# Altium PCB WSD_PCB.PcbDoc (part 1 of 2) (continued)
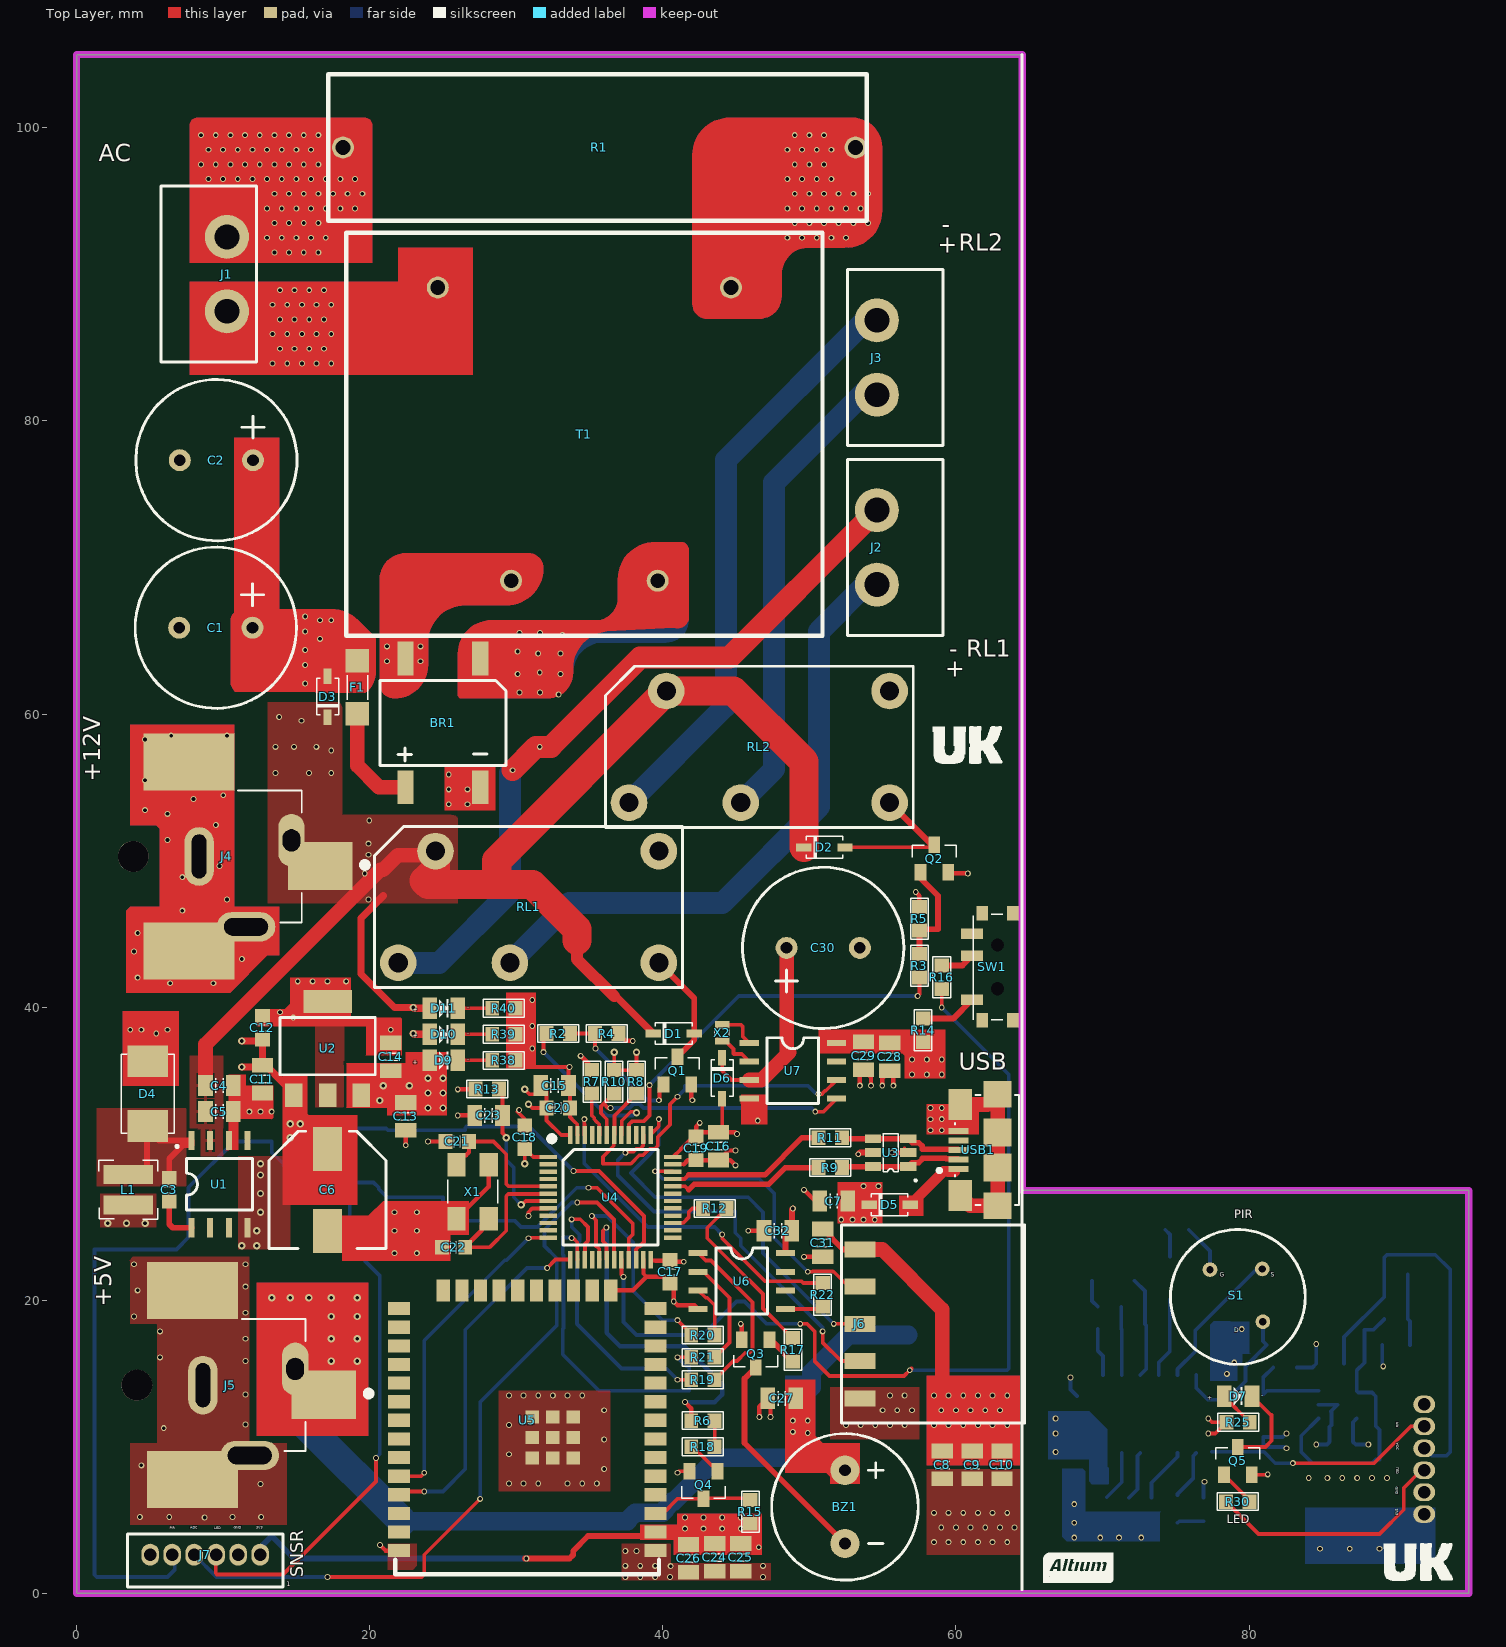
[diagram p0: Top Layer view]
## Part data (continued)
J6: library part "5P SMD CONN 2.54 FEMALE HEADER", "PCB Receptacle, Board-to-Board, 2.54 mm, 1 Rows, 5 Contacts, Surface Mount, SMH", Flammability Rating="UL94 V-0", Insulation Color=Black, Manufacturer=Samtec, Max Operating Temperature=125°C, Min Operating Temperature=-55°C, Supplier Part Number=SAM11813-ND, Category=Connectors, ComponentLink1Description=http://www.farnell.com/datasheets/1927708.pdf?_ga=2.237598468.569325269.1503285096-1413671594.1503025027&src-supplier=Farnell, ComponentLink1URL=http://www.farnell.com/datasheets/1927708.pdf?_ga=2.237598468.569325269.1503285096-1413671594.1503025027&src-supplier=Farnell, ComponentLink2Description=http://www.samtec.com/documents/webfiles/pdf/SMH.PDF?src-supplier=Newark, ComponentLink2URL=http://www.samtec.com/documents/webfiles/pdf/SMH.PDF?src-supplier=Newark, ComponentLink3Description=http://www.samtec.com/documents/webfiles/pdf/SMH.PDF?src-supplier=Avnet, ComponentLink3URL=http://www.samtec.com/documents/webfiles/pdf/SMH.PDF?src-supplier=Avnet, ComponentLink4Description=http://suddendocs.samtec.com/catalog_english/smh.pdf?src-supplier=Digikey, ComponentLink4URL=http://suddendocs.samtec.com/catalog_english/smh.pdf?src-supplier=Digikey, Connector Type=Receptacle, Contact Finish - Mating=GOLD, Contact Material=Bronze, Contact Plating=Gold, Contact Shape=Square, Contact Type=Forked, Designed by=UK, Fastening Type=Pull, Gender=Receptacle, Insulation Material=Polymer, Manufacturer Part Number=SMH-105-02-L-S, Number of Contacts=5, Number of Positions=5, Number of Rows=1, Orientation=Horizontal, Packaging=Rail/Tube, Pitch=2.54mm, Pricing="1=2.01, 50=1.56, 100=1.26, 500=1.07, 1000=1 (USD)", Radiation Hardening=No, Reach SVHC Compliant=No, RoHS=Yes, RoHS Compliant=Yes, Series=SMH, Stock=2, Supplier=Digikey, Termination=Solder
J7 J8: library part "6P SMD TERMINAL 1.50 MALE", "WR-WTB Wire-to-Board Connectors 1.50 mm", Manufacturer="Wurth Electronics", Manufacturer Part Number=64800611622, Supplier Part Number=732-64800611622-ND, Category=Uncategorized, Designed by=UK, Pricing="1=0.42, 50=0.406, 100=0.384, 250=0.361, 500=0.339 (USD)", RoHS=No, Stock=1319, Supplier=Digikey
L1: library part "IND 47uH", "Power Inductor, Aec-Q200, 47Uh, 0.39A Rohs Compliant: Yes", Case Code (Imperial)=1212, Case Code (Metric)=3030, Current Rating=390mA, DC Resistance (DCR)=2.3R, Manufacturer="Wurth Electronics", Manufacturer Part Number=78438335470, Max Operating Temperature=125°C, Min Operating Temperature=-40°C, Ratings=AEC-Q200, Saturation Current=1.18A, Self Resonant Frequency=8MHz, Supplier Part Number=732-6947-6-ND, Test Frequency=100kHz, Tolerance=30%, Case/Package=1212, Category="Fixed Inductors", ComponentLink1Description=https://media.digikey.com/pdf/Data%20Sheets/Wurth%20Electronics%20PDFs/Q+_Products_Flyer.pdf?src-supplier=Digikey, ComponentLink1URL=https://media.digikey.com/pdf/Data%20Sheets/Wurth%20Electronics%20PDFs/Q+_Products_Flyer.pdf?src-supplier=Digikey, Core Material=Ferrite, Designed by=UK, Height - Seated (Max)=0.059inch, Length=0.118inch, Mounting Technology="Surface Mount", Packaging="Cut Tape", Pricing="1=2.11, 50=1.97, 250=1.803, 500=1.672 (USD)", RoHS=Yes, RoHS Compliant=Yes, Series=WE-MAIA, Shielding=Shielded, Stock=5684, Supplier=Digikey, Width=0.118inch
Q1 Q2 Q3 Q4 Q5: "Transistor General Purpose BJT NPN 40 Volt 0.2A Automotive 3-Pin SOT-23", Case/Package=SOT-23, Clock Frequency=300MHz, Collector Base Voltage (VCBO)=60V, Collector Emitter Breakdown Voltage=40V, Collector Emitter Saturation Voltage=300mV, Continuous Collector Current=200mA, Emitter Base Voltage (VEBO)=6V, Manufacturer="Diodes Zetex", Max Operating Temperature=150°C, Max Power Dissipation=300mW, Min Operating Temperature=-55°C, Package Quantity=3000, Power Dissipation=350mW, Supplier Part Number=MMBT3904-FDICT-ND, Category=BJTs, Collector Emitter Voltage (VCEO)=40V, Collector-emitter Voltage-Max=300mV, ComponentLink1Description=https://datasheet.ciiva.com/11201/ds30036-11201778.pdf?src-supplier=Avnet, ComponentLink1URL=https://datasheet.ciiva.com/11201/ds30036-11201778.pdf?src-supplier=Avnet, ComponentLink2Description=https://datasheet.ciiva.com/15138/getdatasheetpartid-53265-15138780.pdf?src-supplier=Verical, ComponentLink2URL=https://datasheet.ciiva.com/15138/getdatasheetpartid-53265-15138780.pdf?src-supplier=Verical, ComponentLink3Description=https://datasheet.ciiva.com/22711/1915516-22711750.pdf?src-supplier=Element14, ComponentLink3URL=https://datasheet.ciiva.com/22711/1915516-22711750.pdf?src-supplier=Element14, ComponentLink4Description=https://datasheet.ciiva.com/11198/ds30036-11198999.pdf?src-supplier=Avnet, ComponentLink4URL=https://datasheet.ciiva.com/11198/ds30036-11198999.pdf?src-supplier=Avnet, ComponentLink5Description=https://datasheet.ciiva.com/6361/ds30036-6361256.pdf?src-supplier=Digikey, ComponentLink5URL=https://datasheet.ciiva.com/6361/ds30036-6361256.pdf?src-supplier=Digikey, ComponentLink6Description=https://datasheet.ciiva.com/6361/ds30036-6361254.pdf?src-supplier=Digikey, ComponentLink6URL=https://datasheet.ciiva.com/6361/ds30036-6361254.pdf?src-supplier=Digikey, Designed by=UK, Frequency=300MHz, Gain Bandwidth Product=300MHz, Height=1mm, hFE Min=100, Lead Free="Lead Free", Length=3.05mm, Manufacturer Part Number=MMBT3904-7-F, Max Breakdown Voltage=40V, Max Collector Current=200mA, Mounting Technology="Surface Mount", Number of Elements=1, Packaging="Tape and Reel", Pins=3, Polarity=NPN, Pricing="1=0.12, 10=0.086, 100=0.0467, 500=0.03666, 1000=0.02545 (USD)", Radiation Hardening=No, Reach SVHC Compliant=No, RoHS=Yes, RoHS Compliant=Yes, Series="Automotive, AEC-Q101", Stock=4408549, Supplier=Digikey, Transition Frequency=300MHz, Voltage Rating (DC)=40V, Weight=0.000282oz, Width=1.4mm
R1: library part "RES 0.27R AXIAL", "270 mOhms ±5% 5W Through Hole Resistor Axial Wirewound", Operating Temperature="-55°C ~ 155°C", Package / Case=Axial, Power (Watts)=5W, Resistance="270 mOhms", Temperature Coefficient=±300ppm/°C, Tolerance=±5%, ComponentLink1Description=Datasheet, ComponentLink1URL=https://www.nteinc.com/resistor_web/pdf/fivewire.pdf, Composition=Wirewound, Designed by=UK, Size / Dimension="0.380\" Square x 0.866\" L (9.65mm x 22.00mm)"
R2 R3 R15 R30 R33 R35 R38 R39: library part "RES 1K 0603", "SMD Chip Resistor, 1 kOhm, ± 1%, 100 mW, 0603 [1608 Metric], Thick Film, General Purpose", Case Code (Imperial)=0603, Case Code (Metric)=1608, Manufacturer=Yageo, Manufacturer Part Number=RC0603FR-071KL, Max Operating Temperature=155°C, Max Power Dissipation=100mW, Min Operating Temperature=-55°C, Resistance Tolerance=1%, Resistor Type="Thick Film", Supplier Part Number=311-1.00KHRCT-ND, Temperature Coefficient=100ppm/°C, Voltage Rating=50V, Case/Package=0603, Category="Chip SMD Resistors", Construction=Rectangular, Contact Plating=Tin,Matte, Depth=0.8mm, Designed by=UK, Features="Moisture Resistant", Height=0.45mm, Lead Free=5697LeadFree, Length=1.6mm, Military Standard=Not, Number of Terminations=2, Packaging="Tape and Reel", Power Rating=100mW, Pricing="1=0.1, 10=0.019, 50=0.0112, 100=0.0093, 500=0.00622, 1000=0.00532 (USD)", Reach SVHC Compliant=No, RoHS=Yes, RoHS Compliant=Yes, Series=RC, Stock=12285830, Supplier=Digikey, Technology="THICK FILM", Termination=SMD/SMT, Tolerance=1%
R4 R5 R26 R31 R37: library part "RES 10K 0603", "SMD Chip Resistor, 10 kOhm, ± 1%, 100 mW, 0603 [1608 Metric], Thick Film, General Purpose", Case Code (Imperial)=0603, Case Code (Metric)=1608, Manufacturer=Yageo, Manufacturer Part Number=RC0603FR-0710KL, Max Operating Temperature=155°C, Max Power Dissipation=100mW, Min Operating Temperature=-55°C, Resistance Tolerance=1%, Resistor Type="Thick Film", Supplier Part Number=311-10.0KHRTR-ND, Temperature Coefficient=100ppm/°C, Voltage Rating=75V, Voltage Rating (DC)=50V, Case/Package=0603, Category="Chip SMD Resistors", Construction=Rectangular, Depth=0.8mm, Designed by=UK, Features="Moisture Resistant", Height=0.45mm, Lead Free=5697LeadFree, Lead Pitch=0.3mm, Length=1.6mm, Military Standard=Not, Number of Terminations=2, Packaging="Tape and Reel", Pins=2, Power Rating=100mW, Pricing="5000=0.00382, 10000=0.00335, 25000=0.00287, 35000=0.00278, 50000=0.00257, 125000=0.00232 (USD)", Reach SVHC Compliant=No, RoHS=Yes, RoHS Compliant=Yes, Series=RC, Stock=11745000, Supplier=Digikey, Termination=SMD/SMT, Tolerance=1%, Weight=7.1E-05oz, Width=0.8mm
R6 R7 R12 R13 R14 R16 R17 R18 R19 R20 R21 R22 R25: library part "RES 100R 0603", "SMD Chip Resistor, 100 Ohm, ± 5%, 100 mW, 0603 [1608 Metric], Thick Film, General Purpose", Case Code (Imperial)=0603, Case Code (Metric)=1608, Manufacturer=Yageo, Manufacturer Part Number=RC0603JR-07100RL, Max Operating Temperature=155°C, Max Power Dissipation=100mW, Min Operating Temperature=-55°C, Resistance Tolerance=5%, Resistor Type="Thick Film", Supplier Part Number=311-100GRDKR-ND, Temperature Coefficient=100ppm/°C, Voltage Rating=50V, Case/Package=0603, Category="Chip SMD Resistors", ComponentLink1Description=https://datasheet.ciiva.com/7746/443971-7746425.pdf?src-supplier=Element14, ComponentLink1URL=https://datasheet.ciiva.com/7746/443971-7746425.pdf?src-supplier=Element14, ComponentLink2Description=https://datasheet.ciiva.com/7746/443971-7746426.pdf?src-supplier=Element14, ComponentLink2URL=https://datasheet.ciiva.com/7746/443971-7746426.pdf?src-supplier=Element14, ComponentLink3Description=https://datasheet.ciiva.com/8883/pyu-rc0603-51-rohs-l-4-8883047.pdf?src-supplier=Avnet, ComponentLink3URL=https://datasheet.ciiva.com/8883/pyu-rc0603-51-rohs-l-4-8883047.pdf?src-supplier=Avnet, ComponentLink4Description=https://datasheet.ciiva.com/15189/getdatasheetpartid-325207-15189846.pdf?src-supplier=Verical, ComponentLink4URL=https://datasheet.ciiva.com/15189/getdatasheetpartid-325207-15189846.pdf?src-supplier=Verical, Construction=Rectangular, Contact Plating=Tin,Matte, Depth=0.8mm, Designed by=UK, Features="Moisture Resistant", Lead Free="Lead Free", Length=1.6mm, Military Standard=Not, Number of Terminations=2, Packaging="Tape and Reel", Pins=2, Power Rating=100mW, Pricing="1=0.1, 10=0.015, 50=0.0092, 100=0.0076, 500=0.00512, 1000=0.00437 (USD)", Reach SVHC Compliant=Unknown, RoHS=Yes, RoHS Compliant=Yes, Series=RC, Stock=1088098, Supplier=Digikey, Termination=SMD/SMT, Tolerance=5%, Voltage Rating (AC)=50V, Voltage Rating (DC)=50V, Width=0.8mm
R8 R10 R40: library part "RES 4K7 0603", "SMD Chip Resistor, 4.7 kOhm, ± 5%, 100 mW, 0603 [1608 Metric], Thick Film, General Purpose", Case Code (Imperial)=0603, Case Code (Metric)=1608, Manufacturer=Yageo, Manufacturer Part Number=RC0603JR-074K7L, Max Operating Temperature=155°C, Max Power Dissipation=100mW, Min Operating Temperature=-55°C, Resistance Tolerance=5%, Resistor Type="Thick Film", Supplier Part Number=311-4.7KGRCT-ND, Temperature Coefficient=100ppm/°C, Voltage Rating=50V, Case/Package=0603, Category="Chip SMD Resistors", ComponentLink1Description=https://datasheet.ciiva.com/46412/443971-46412858.pdf?src-supplier=Element14, ComponentLink1URL=https://datasheet.ciiva.com/46412/443971-46412858.pdf?src-supplier=Element14, Construction=Rectangular, Depth=0.8mm, Designed by=UK, Features="Moisture Resistant", Lead Free=5697LeadFree, Length=1.6mm, Military Standard=Not, Number of Terminations=2, Packaging="Tape and Reel", Pins=2, Power Rating=100mW, Pricing="1=0.1, 10=0.015, 50=0.0092, 100=0.0076, 500=0.00512, 1000=0.00437 (USD)", Reach SVHC Compliant=No, RoHS=Yes, RoHS Compliant=Yes, Series=RC, Stock=4706238, Supplier=Digikey, Termination=SMD/SMT, Tolerance=5%, Voltage Rating (AC)=50V, Voltage Rating (DC)=50V, Width=0.8mm
R9 R11: library part "RES 15R 0603", "SMD Chip Resistor, 15 Ohm, ± 5%, 100 mW, 0603 [1608 Metric], Thick Film, General Purpose", Manufacturer=Yageo, Manufacturer Part Number=RC0603JR-0715RL, Supplier Part Number=311-15GRTR-ND, Voltage Rating (AC)=50V, Category="Chip SMD Resistors", ComponentLink1Description=https://datasheet.ciiva.com/2453/pyu-r-int-thick-7-2453085.pdf?src-supplier=Digikey, ComponentLink1URL=https://datasheet.ciiva.com/2453/pyu-r-int-thick-7-2453085.pdf?src-supplier=Digikey, ComponentLink2Description=https://datasheet.ciiva.com/2453/pyu-r-int-thick-7-2453086.pdf?src-supplier=Digikey, ComponentLink2URL=https://datasheet.ciiva.com/2453/pyu-r-int-thick-7-2453086.pdf?src-supplier=Digikey, ComponentLink3Description=https://datasheet.ciiva.com/2453/pyu-r-int-thick-7-2453087.pdf?src-supplier=Digikey, ComponentLink3URL=https://datasheet.ciiva.com/2453/pyu-r-int-thick-7-2453087.pdf?src-supplier=Digikey, ComponentLink4Description=https://datasheet.ciiva.com/7746/443971-7746445.pdf?src-supplier=Element14, ComponentLink4URL=https://datasheet.ciiva.com/7746/443971-7746445.pdf?src-supplier=Element14, ComponentLink5Description=https://datasheet.ciiva.com/7746/443971-7746446.pdf?src-supplier=Element14, ComponentLink5URL=https://datasheet.ciiva.com/7746/443971-7746446.pdf?src-supplier=Element14, Designed by=UK, Pricing="5000=0.00314, 10000=0.00275, 25000=0.00236, 35000=0.00228, 50000=0.00211, 125000=0.00191 (USD)", RoHS=Yes, Stock=105000, Supplier=Digikey
R23 R28: library part "RES 560K 0603", "SMD Chip Resistor, 560 kOhm, ± 5%, 100 mW, 0603 [1608 Metric], Thick Film, General Purpose", Case Code (Imperial)=0603, Case Code (Metric)=1608, Manufacturer=Yageo, Manufacturer Part Number=RC0603JR-07560KL, Max Operating Temperature=155°C, Max Power Dissipation=100mW, Min Operating Temperature=-55°C, Package Quantity=1, Resistance Tolerance=5%, Resistor Type="Thick Film", Supplier Part Number=311-560KGRDKR-ND, Temperature Coefficient=100ppm/°C, Voltage Rating=75V, Voltage Rating (AC)=50V, Case/Package=0603, Category="Chip SMD Resistors", ComponentLink1Description=https://datasheet.ciiva.com/2453/pyu-r-int-thick-7-2453056.pdf?src-supplier=Digikey, ComponentLink1URL=https://datasheet.ciiva.com/2453/pyu-r-int-thick-7-2453056.pdf?src-supplier=Digikey, ComponentLink2Description=https://datasheet.ciiva.com/2453/pyu-r-int-thick-7-2453057.pdf?src-supplier=Digikey, ComponentLink2URL=https://datasheet.ciiva.com/2453/pyu-r-int-thick-7-2453057.pdf?src-supplier=Digikey, ComponentLink3Description=https://datasheet.ciiva.com/2453/pyu-r-int-thick-7-2453055.pdf?src-supplier=Digikey, ComponentLink3URL=https://datasheet.ciiva.com/2453/pyu-r-int-thick-7-2453055.pdf?src-supplier=Digikey, Designed by=UK, Features="Moisture Resistant", Height=0.022inch, Lead Free=5697LeadFree, Length=0.063inch, Number of Terminations=2, Packaging="Tape and Reel", Pins=2, Power Rating=100mW, Pricing="1=0.1, 10=0.015, 50=0.0092, 100=0.0076, 500=0.00512, 1000=0.00437 (USD)", Reach SVHC Compliant=Unknown, RoHS=Yes, RoHS Compliant=Yes, Series=RC, Stock=410968, Supplier=Digikey, Technology="THICK FILM", Termination=SMD/SMT, Tolerance=5%, Voltage Rating (DC)=50V, Weight=7.1E-05oz, Width=0.8mm, Working Voltage=75V
R24 R34 R36: library part "RES 220K 0603", "SMD Chip Resistor, 220 kOhm, ± 5%, 100 mW, 0603 [1608 Metric], Thick Film, General Purpose", Manufacturer=Yageo, Manufacturer Part Number=RC0603JR-07220KL, Supplier Part Number=311-220KGRTR-ND, Voltage Rating (AC)=50V, Category="Chip SMD Resistors", ComponentLink1Description=https://datasheet.ciiva.com/2452/pyu-r-int-thick-7-2452923.pdf?src-supplier=Digikey, ComponentLink1URL=https://datasheet.ciiva.com/2452/pyu-r-int-thick-7-2452923.pdf?src-supplier=Digikey, ComponentLink2Description=https://datasheet.ciiva.com/2452/pyu-r-int-thick-7-2452924.pdf?src-supplier=Digikey, ComponentLink2URL=https://datasheet.ciiva.com/2452/pyu-r-int-thick-7-2452924.pdf?src-supplier=Digikey, ComponentLink3Description=https://datasheet.ciiva.com/2452/pyu-r-int-thick-7-2452925.pdf?src-supplier=Digikey, ComponentLink3URL=https://datasheet.ciiva.com/2452/pyu-r-int-thick-7-2452925.pdf?src-supplier=Digikey, Designed by=UK, Lead Free=5697LeadFree, Pricing="5000=0.00314, 10000=0.00275, 25000=0.00236, 35000=0.00228, 50000=0.00211, 125000=0.00191 (USD)", RoHS=Yes, Stock=650000, Supplier=Digikey
R27 R29: library part "RES 0R 0603", "GENERAL PURPOSE CHIP RESISTOR Metal Glaze/thick Film, 0.1W, 0ohm, Surface Mount, 0603", Case Code (Imperial)=0603, Case Code (Metric)=1608, Manufacturer=Yageo, Manufacturer Part Number=RC0603JR-070RL, Max Operating Temperature=155°C, Max Power Dissipation=100mW, Min Operating Temperature=-55°C, Package Quantity=5000, Resistance Tolerance=5%, Resistor Type="Thick Film", Supplier Part Number=311-0.0GRTR-ND, Temperature Coefficient=200ppm/°C, Tolerance=1%, Voltage Rating=50V, Case/Package=0603, Category="Chip SMD Resistors", Construction=Rectangular, Contact Plating=Tin,Matte, Depth=0.8mm, Designed by=UK, Features="Moisture Resistant", Height=0.45mm, Lead Free=5697LeadFree, Length=1.6mm, Military Standard=Not, Number of Terminations=2, Packaging="Tape and Reel", Pins=2, Power Rating=100mW, Pricing="5000=0.00203, 10000=0.00177, 25000=0.00155, 50000=0.00142, 125000=0.00139 (USD)", Reach SVHC Compliant=Unknown, RoHS=Yes, RoHS Compliant=Yes, Series=RC, Stock=3621361, Supplier=Digikey, Technology="THICK FILM", Termination=SMD/SMT, Voltage Rating (DC)=50V, Width=0.8mm
R32: library part "RES 43K 0603", "Res Thick Film 0603 43K Ohm 5% 0.1W(1/10W) ±100ppm/°C Pad SMD T/R", Manufacturer=Yageo, Manufacturer Part Number=RC0603JR-0743KL, Supplier Part Number=311-43KGRDKR-ND, Category="Chip SMD Resistors", ComponentLink1Description=https://datasheet.ciiva.com/2453/pyu-r-int-thick-7-2453052.pdf?src-supplier=Digikey, ComponentLink1URL=https://datasheet.ciiva.com/2453/pyu-r-int-thick-7-2453052.pdf?src-supplier=Digikey, ComponentLink2Description=https://datasheet.ciiva.com/2453/pyu-r-int-thick-7-2453053.pdf?src-supplier=Digikey, ComponentLink2URL=https://datasheet.ciiva.com/2453/pyu-r-int-thick-7-2453053.pdf?src-supplier=Digikey, ComponentLink3Description=https://datasheet.ciiva.com/2453/pyu-r-int-thick-7-2453054.pdf?src-supplier=Digikey, ComponentLink3URL=https://datasheet.ciiva.com/2453/pyu-r-int-thick-7-2453054.pdf?src-supplier=Digikey, Designed by=UK, Pricing="1=0.1, 10=0.011, 50=0.0066, 100=0.0054, 500=0.0036, 1000=0.00307 (USD)", RoHS=Yes, Stock=230924, Supplier=Digikey
RL1 RL2: "Electromechanical Relay 12VDC 360Ohm 10(NO)/3(NC)A SPDT (( 20mm 10mm 16mm)) THT Power Relay", Manufacturer=Panasonic, Supplier Part Number=255-3562-ND, Category="Power Relays", ComponentLink1Description=https://datasheet.ciiva.com/24388/307ds-61b20-en-lq-24388909.pdf?src-supplier=Onlinecomponents.com, ComponentLink1URL=https://datasheet.ciiva.com/24388/307ds-61b20-en-lq-24388909.pdf?src-supplier=Onlinecomponents.com, Designed by=UK, Manufacturer Part Number=ALQ112, Pricing="1=1.28, 10=1.204, 25=1.0704, 50=1.017, 100=0.9635, 300=0.85647, 500=0.80296, 1000=0.74942, 5000=0.72266 (USD)", RoHS=Yes, Stock=34740, Supplier=Digikey
RT1: "Thermistor PTC 10K Ohm 1% 2-Pin 1206 Surface Mount Solder Pad T/R Automotive", Case Code (Imperial)=1206, Manufacturer="Vishay Dale", Max Operating Temperature=125°C, Max Power Dissipation=125mW, Min Operating Temperature=-55°C, Package Quantity=5000, Resistance Tolerance=1%, Supplier Part Number=71-TFPT1206L1002FM, Voltage=40V, Case/Package=1206, Category="Linear ICs", ComponentLink1Description=https://datasheet.ciiva.com/2852/tfpt-2852076.pdf?src-supplier=Digikey, ComponentLink1URL=https://datasheet.ciiva.com/2852/tfpt-2852076.pdf?src-supplier=Digikey, Designed by=UK, Height=0.55mm, Lead Free="Lead Free", Length=3.2mm, Manufacturer Part Number=TFPT1206L1002FM, Mounting Technology="Surface Mount", Packaging="Tape and Reel", Power Rating=125mW, Pricing="1=1.3, 10=0.794, 50=0.794, 100=0.702, 1000=0.504, 10000=0.453 (USD)", RoHS=Yes, RoHS Compliant=Yes, Series=TFPT, Stock=36400, Supplier=Mouser, Termination=SMD/SMT, Tolerance=1%, Width=1.6mm
S1: "Sensor Pyro Detector Dual Motion", Manufacturer=Excelitas, Manufacturer Part Number=LHI878/3902, Supplier Part Number=1601-LHI878/3902-ND, Category=Uncategorized, Designed by=UK, RoHS=No, Supplier=Digikey
SW1: "Slide Switch, SPDT, 0.025A, 24V, SMD", Manufacturer=E-Switch, Max Operating Temperature=70°C, Min Operating Temperature=-20°C, Operating Force=150gf, Supplier Part Number=EG5720CT-ND, Voltage Rating (DC)=24V, Actuator Length=1.4mm, Actuator Type=Standard, ComponentLink1Description=https://media.digikey.com/pdf/Data%20Sheets/E-Switch%20PDFs/EG1215_Series_Ds.pdf?src-supplier=Digikey, ComponentLink1URL=https://media.digikey.com/pdf/Data%20Sheets/E-Switch%20PDFs/EG1215_Series_Ds.pdf?src-supplier=Digikey, ComponentLink2Description=http://www.farnell.com/datasheets/2645007.pdf?src-supplier=Farnell, ComponentLink2URL=http://www.farnell.com/datasheets/2645007.pdf?src-supplier=Farnell, Designed by=UK, Electrical Life=10000Cycles, Manufacturer Part Number=EG1215AA, Mechanical Life=10000Cycles, Mounting Technology="Surface Mount", Packaging="Cut Tape", Pricing="1=0.99, 10=0.951, 25=0.8884, 100=0.7715, 250=0.702, 500=0.6508, 1000=0.60327 (USD)", RoHS=Yes, RoHS Compliant=Yes, Series=EG, Stock=20364, Supplier=Digikey, Switch Function=On-On, Switch Travel=1.5mm, Termination="Gull Wing", Throw Configuration=SPDT
T1: "Sealed Transformer EI30/10.5", Manufacturer="Zettler Magnetics", Supplier Part Number=3388-BV302S12010-ND, Category=Uncategorized, Designed by=UK, Manufacturer Part Number=BV302S12010, Pricing="1=2.97, 15=2.37533, 30=1.93, 60=1.88067, 105=1.83114, 255=1.78165, 510=1.76678, 1005=1.56388, 5010=1.43521 (USD)", RoHS=No, RoHS Compliant=No, Stock=541, Supplier=Digikey
U1: "Buck Switching Regulator IC Positive Fixed 12V 1 Output 1A 8-SOIC (0.154\", 3.90mm Width)", Case/Package="SOIC N", Manufacturer="TI National Semiconductor", Max Operating Temperature=125°C, Max Output current=1A, Max Supply Voltage=40V, Min Input Voltage=8V, Min Operating Temperature=-40°C, Output Voltage=12V, Package Quantity=2500, Quiescent Current=2.5mA, Supplier Part Number=296-35410-1-ND, Switching Frequency=260kHz, Category="Voltage Regulators - Switching", ComponentLink1Description=https://datasheet.ciiva.com/41457/001013881-da-01-en-ic-reg-buck-lm2675mx-12-nopb-soic-8-tid-41457896.pdf?src-supplier=Conrad, ComponentLink1URL=https://datasheet.ciiva.com/41457/001013881-da-01-en-ic-reg-buck-lm2675mx-12-nopb-soic-8-tid-41457896.pdf?src-supplier=Conrad, ComponentLink2Description=https://datasheet.ciiva.com/3220/lm2675-3220840.pdf?src-supplier=Avnet, ComponentLink2URL=https://datasheet.ciiva.com/3220/lm2675-3220840.pdf?src-supplier=Avnet, Designed by=UK, Efficiency=94%, Lead Free="Lead Free", Manufacturer Part Number=LM2675MX-12/NOPB, Mounting Technology="Surface Mount", Number of Outputs=1, Operating Supply Voltage=40V, Output Current=1A, Output Type=Fixed, Packaging="Tape and Reel", Pins=8, Pricing="1=4.71, 10=4.231, 25=3.9996, 100=3.4663, 250=3.28856, 500=2.95082, 1000=2.48864 (USD)", Radiation Hardening=No, RoHS=Yes, RoHS Compliant=Yes, Series=LM2675, Stock=3258, Supplier=Digikey
U2: "Linear Voltage Regulator IC Positive Fixed 1 Output 1A SOT-223-3", Case/Package=SOT-223, Dropout Voltage=500mV, Manufacturer=Diodes, Max Operating Temperature=85°C, Max Output current=1A, Max Power Dissipation=1.1W, Max Supply Voltage=6V, Min Current Limit=1.1A, Min Input Voltage=2.2V, Min Operating Temperature=-40°C, Output Voltage=3.3V, Package Quantity=1, Power Dissipation=1.1kW, Power Supply Rejection Ratio (PSRR)=65dB, Quiescent Current=70uA, Reference Voltage=800mV, Supplier Part Number=AP7361-33E-13DITR-ND, Accuracy=1%, Category="Voltage Regulators - Linear", ComponentLink1Description=https://datasheet.ciiva.com/26926/getdatasheetpartid-670786-26926141.pdf?src-supplier=Verical, ComponentLink1URL=https://datasheet.ciiva.com/26926/getdatasheetpartid-670786-26926141.pdf?src-supplier=Verical, ComponentLink2Description=https://datasheet.ciiva.com/29568/ap7361-29568378.pdf?src-supplier=Digikey, ComponentLink2URL=https://datasheet.ciiva.com/29568/ap7361-29568378.pdf?src-supplier=Digikey, Contact Plating=Tin,Matte, Designed by=UK, Lead Free="Lead Free", Manufacturer Part Number=AP7361-33E-13, Mounting Technology="Surface Mount", Number of Outputs=1, Number of Regulators=1, Output Current=1A, Output Type=Fixed, Packaging="Tape and Reel", Pins=4, Polarity=Positive, Pricing="2500=0.14532, 5000=0.13651, 12500=0.1277, 25000=0.11714, 62500=0.11273 (USD)", Radiation Hardening=No, Reach SVHC Compliant=Yes, RoHS=Yes, RoHS Compliant=Yes, Series=-, Stock=115000, Supplier=Digikey, Weight=0.000282oz
U3: "ESD Suppressor Diode Arrays Uni-Dir 15kV@Air Gap/8kV@Contact Disc 6-Pin SOT-23 T/R", Breakdown Voltage=6V, Case/Package=SOT-23, Clamping Voltage=17V, Leakage Current=150nA, Manufacturer=STMicroelectronics, Max Operating Temperature=125°C, Max Repetitive Reverse Voltage (Vrrm)=5.25V, Min Operating Temperature=-40°C, Operating Supply Voltage=1.1V, Package Quantity=3000, Peak Pulse Current=5A, Power Line Protection=Yes, Supplier Part Number=497-5235-6-ND, Test Current=1mA, Working Voltage=5V, Category="TVS Diodes", Clamping Voltage-Max=17V, ComponentLink1Description=https://datasheet.ciiva.com/1268/1690354-1268384.pdf?src-supplier=Element14, ComponentLink1URL=https://datasheet.ciiva.com/1268/1690354-1268384.pdf?src-supplier=Element14, ComponentLink2Description=https://datasheet.ciiva.com/4508/cd00050750-113117-4508433.pdf?src-supplier=Mouser, ComponentLink2URL=https://datasheet.ciiva.com/4508/cd00050750-113117-4508433.pdf?src-supplier=Mouser, ComponentLink3Description=https://datasheet.ciiva.com/15143/getdatasheetpartid-148465-15143789.pdf?src-supplier=Verical, ComponentLink3URL=https://datasheet.ciiva.com/15143/getdatasheetpartid-148465-15143789.pdf?src-supplier=Verical, ComponentLink4Description=https://datasheet.ciiva.com/16200/cd00050750-16200026.pdf?src-supplier=Future+Electronics, ComponentLink4URL=https://datasheet.ciiva.com/16200/cd00050750-16200026.pdf?src-supplier=Future+Electronics, ComponentLink5Description=https://datasheet.ciiva.com/41444/001184109-da-01-en-ic-esd-protecti-usblc6-2sc6-sot-23-6-stm-41444156.pdf?src-supplier=Conrad, ComponentLink5URL=https://datasheet.ciiva.com/41444/001184109-da-01-en-ic-esd-protecti-usblc6-2sc6-sot-23-6-stm-41444156.pdf?src-supplier=Conrad, Data Rate=480Mbps, Depth=1.75mm, Designed by=UK, Direction=Unidirectional,Bidirectional, ESD Protection=Yes, Height=1.3mm, Lead Free="Lead Free", Length=3.05mm, Manufacturer Part Number=USBLC6-2SC6, Max Breakdown Voltage=6V, Max Reverse Leakage Current=150nA, Min Breakdown Voltage=6V, Mounting Technology="Surface Mount", Number of Bidirectional Channels=2, Number of Channels=2, Number of Elements=1, Packaging="Tape and Reel", Pins=6, Polarity=Unidirectional,Bidirectional, Pricing="1=0.35, 10=0.273, 100=0.1636, 500=0.1515, 1000=0.10302 (USD)", Radiation Hardening=No, Reach SVHC Compliant=No, Reverse Breakdown Voltage=6V, Reverse Standoff Voltage=5.25V, RoHS=Yes, RoHS Compliant=Yes, Series=USB, Stock=19244, Supplier=Digikey, Termination=SMD/SMT, Width=1.75mm
U4: "MCU 32-bit STM32F ARM Cortex M3 RISC 32KB Flash 2.5V/3.3V 48-Pin LQFP Tray", Case/Package=LQFP, Clock Frequency=72MHz, Manufacturer=STMicroelectronics, Max Operating Temperature=85°C, Max Supply Voltage=3.6V, Min Operating Temperature=-40°C, Min Supply Voltage=2V, Package Quantity=1500, Supplier Part Number=497-11515-ND, Category=Microcontrollers, ComponentLink1Description=https://datasheet.ciiva.com/15122/getdatasheetpartid-69879-15122075.pdf?src-supplier=Verical, ComponentLink1URL=https://datasheet.ciiva.com/15122/getdatasheetpartid-69879-15122075.pdf?src-supplier=Verical, ComponentLink2Description=https://datasheet.ciiva.com/14100/pustm-arm-microcont-stm32f103-en-14100507.pdf?src-supplier=Distrelec, ComponentLink2URL=https://datasheet.ciiva.com/14100/pustm-arm-microcont-stm32f103-en-14100507.pdf?src-supplier=Distrelec, Core Architecture=ARM, Data Bus Width=32b, Designed by=UK, Height=1.4mm, Interface=I2C,SPI,USART, Lead Free="Lead Free", Length=7mm, Manufacturer Part Number=STM32F103C6T6A, Memory Format=FLASH, Memory Size=32KB, Number of ADC Channels=10, Number of I/Os=37, Number of Timers/Counters=3, Packaging=Tray, Pins=48, Pricing="1=6.07, 10=5.453, 25=5.1552, 80=4.46775, 250=4.23868, 500=3.80336, 1000=3.20766, 2500=3.04728 (USD)", RAM Size=10KB, RoHS=Yes, RoHS Compliant=Yes, Series=STM32F103C6, Stock=990, Supplier=Digikey, Weight=0.006409oz, Width=7mm
U5: library part "ESP32-WROOM-32E (4MB)", "WiFi-Module 802.11/BT 2, 4-2, 5GHz 150Mb/s", Clock Frequency=2.484GHz, Manufacturer="Espressif Systems", Manufacturer Part Number=ESP32-WROOM-32E(M113EH3200PH3Q0), Max Operating Temperature=85°C, Max Supply Voltage=3.6V, Min Operating Temperature=-40°C, Min Supply Voltage=3V, Nominal Supply Current=500mA, Supplier Part Number=1965-ESP32-WROOM-32E-N4TR-ND, Bandwidth=72MHz, Category="RF Receivers, Transceivers", ComponentLink1Description=https://datasheet.octopart.com/ESP32-WROOM-32E-N4-Espressif-Systems-datasheet-165560559.pdf?src-supplier=TME, ComponentLink1URL=https://www.espressif.com/sites/default/files/documentation/esp32-wroom-32e_esp32-wroom-32ue_datasheet_en.pdf, Data Rate=150Mbps, Designed by=UK, Height=3.25mm, Interface=39,40,1515,1518,1532Interface, Number of ADC Channels=16NUMBER, Number of GPIO=26NUMBER, Pricing="650=2.5 (USD)", RoHS=No, Stock=6640, Supplier=Digikey
U6: "Temp Sensor Digital Serial (3-Wire, SPI) 8-Pin SOIC N Tube", Manufacturer=Maxim, Manufacturer Part Number=MAX6662MSA+, Supplier Part Number=MAX6662MSA+-ND, Category="Temperature and Humidity Sensors", ComponentLink1Description=https://datasheet.ciiva.com/5299/max6662-89142-5299456.pdf?src-supplier=Mouser, ComponentLink1URL=https://datasheet.ciiva.com/5299/max6662-89142-5299456.pdf?src-supplier=Mouser, ComponentLink2Description=https://datasheet.ciiva.com/3277/max6662-3277979.pdf?src-supplier=Avnet, ComponentLink2URL=https://datasheet.ciiva.com/3277/max6662-3277979.pdf?src-supplier=Avnet, ComponentLink3Description=https://datasheet.ciiva.com/2003/max6662-2003390.pdf?src-supplier=Digikey, ComponentLink3URL=https://datasheet.ciiva.com/2003/max6662-2003390.pdf?src-supplier=Digikey, Designed by=UK, Pricing="1=4.61, 10=3.454, 25=3.0704, 50=2.9168, 100=2.8401, 500=2.37956, 1000=2.22604 (USD)", RoHS=Yes, Stock=708, Supplier=Digikey
U7: "Real Time Clock (RTC) IC Clock/Calendar I2C, 2-Wire Serial 8-SOIC (0.154\", 3.90mm Width)", Manufacturer=STMicroelectronics, Supplier Part Number=497-4697-1-ND, Category="Real Time Clocks", ComponentLink1Description=https://datasheet.ciiva.com/7630/1837112-7630077.pdf?src-supplier=Element14, ComponentLink1URL=https://datasheet.ciiva.com/7630/1837112-7630077.pdf?src-supplier=Element14, ComponentLink2Description=https://datasheet.ciiva.com/16213/cd00001542-16213654.pdf?src-supplier=Future+Electronics, ComponentLink2URL=https://datasheet.ciiva.com/16213/cd00001542-16213654.pdf?src-supplier=Future+Electronics, ComponentLink3Description=https://datasheet.ciiva.com/41459/001185345-da-01-en-ic-rtc-srl-512kbit-m41t00m6f-soic-8-stm-41459818.pdf?src-supplier=Conrad, ComponentLink3URL=https://datasheet.ciiva.com/41459/001185345-da-01-en-ic-rtc-srl-512kbit-m41t00m6f-soic-8-stm-41459818.pdf?src-supplier=Conrad, Designed by=UK, Manufacturer Part Number=M41T00M6F, Pricing="1=3.77, 10=3.388, 25=3.2032, 100=2.776, 250=2.63364, 500=2.36316, 1000=1.99303 (USD)", RoHS=Yes, Stock=20527, Supplier=Digikey
U8: "NCS36000 Series Single 5.75V Passive Infrared Detector Controller (PIR) -SOIC-14", Case/Package=SOIC, Manufacturer="ON Semiconductor", Max Operating Temperature=85°C, Max Supply Voltage=5.75V, Min Operating Temperature=-40°C, Min Supply Voltage=3V, Nominal Supply Current=20uA, Operating Supply Current=50uA, Package Quantity=3000, Supplier Part Number=8051766P, Category="Amplifiers - Op Amps, Buffer, Instrumentation", ComponentLink1Description=https://datasheet.ciiva.com/4763/ncs36000-d-89569-4763639.pdf?src-supplier=Mouser, ComponentLink1URL=https://datasheet.ciiva.com/4763/ncs36000-d-89569-4763639.pdf?src-supplier=Mouser, ComponentLink2Description=https://datasheet.ciiva.com/2966/ncs36000-d-2966525.pdf?src-supplier=Avnet, ComponentLink2URL=https://datasheet.ciiva.com/2966/ncs36000-d-2966525.pdf?src-supplier=Avnet, Designed by=UK, Halogen Free="Halogen Free", Height=1.5mm, Input Type=DIGITAL, Lead Free="Lead Free", Length=8.75mm, Manufacturer Part Number=NCS36000DRG, Output Type=Digital, Packaging="Tape and Reel", Pins=14, Pricing="50=0.757, 100=0.659 (GBP)", Quiescent Current=20uA, Radiation Hardening=No, Reach SVHC Compliant=No, RoHS=Yes, RoHS Compliant=Yes, Series=-, Supplier=Rs, Width=4mm
U9: "IC OPAMP GP 3MHZ RRO SOT23-5", Manufacturer="Texas Instruments", Supplier Part Number=296-36699-2-ND, Category="Amplifiers - Op Amps, Buffer, Instrumentation", ComponentLink1Description=https://datasheet.ciiva.com/14456/opa2314-14456281.pdf?src-supplier=Avnet, ComponentLink1URL=https://datasheet.ciiva.com/14456/opa2314-14456281.pdf?src-supplier=Avnet, ComponentLink2Description=https://datasheet.ciiva.com/14462/opa2314-14462006.pdf?src-supplier=Avnet, ComponentLink2URL=https://datasheet.ciiva.com/14462/opa2314-14462006.pdf?src-supplier=Avnet, ComponentLink3Description=https://datasheet.ciiva.com/29638/opa314-29638827.pdf?src-supplier=Digikey, ComponentLink3URL=https://datasheet.ciiva.com/29638/opa314-29638827.pdf?src-supplier=Digikey, Designed by=UK, Manufacturer Part Number=OPA314AIDBVR, Pricing="3000=0.49066, 6000=0.46613, 15000=0.4486 (USD)", RoHS=Yes, Stock=10500, Supplier=Digikey
USB1: library part "Micro B USB Connector", "CONN USB MICRO B RECPT SMT R/A", Color=Black, Current Rating=1.8A, Flammability Rating="UL94 V-0", Insulation Resistance=1GR, Manufacturer="Amphenol ICC / FCI", Max Operating Temperature=85°C, Max Voltage Rating (AC)=100V, Min Operating Temperature=-55°C, Package Quantity=1400, Supplier Part Number=609-4613-1-ND, Category=Uncategorized, Connector Type=USB,Receptacle, Contact Material="Copper Alloy", Contact Plating=Gold, Depth=5.57mm, Designed by=UK, Features=Shielded, Gender=Receptacle, Housing Material=Polymer, Length=7.86mm, Manufacturer Part Number=10118192-0001LF, Mounting Technology="Surface Mount,Horizontal", Number of Contacts=5, Number of Ports=1, Orientation="Right Angle", Packaging="Tape and Reel", Pins=5, Pitch=0.65mm, Pricing="1=0.46, 10=0.404, 25=0.3696, 50=0.3478, 100=0.3334, 250=0.30436, 500=0.28988 (USD)", Radiation Hardening=No, Reach SVHC Compliant=No, RoHS=No, Series=-, Stock=57642, Supplier=Digikey, Termination=Solder, USB Standard="USB 2.0", Voltage Rating=100V
X1: library part ECS-160-20-30B-TR, "Crystal 16MHz ±30ppm (Tol) ±50ppm (Stability) 20pF FUND 50Ohm 4-Pin Mini-SMD T/R", Manufacturer="ECS International", Supplier Part Number=XC1120DKR-ND, Category=Crystals, ComponentLink1Description=https://datasheet.ciiva.com/853/ecx-53b-853408.pdf?src-supplier=Digikey, ComponentLink1URL=https://datasheet.ciiva.com/853/ecx-53b-853408.pdf?src-supplier=Digikey, ComponentLink2Description=https://datasheet.ciiva.com/853/ecx-53b-853407.pdf?src-supplier=Digikey, ComponentLink2URL=https://datasheet.ciiva.com/853/ecx-53b-853407.pdf?src-supplier=Digikey, ComponentLink3Description=https://datasheet.ciiva.com/853/ecx-53b-853406.pdf?src-supplier=Digikey, ComponentLink3URL=https://datasheet.ciiva.com/853/ecx-53b-853406.pdf?src-supplier=Digikey, Designed by=UK, Manufacturer Part Number=ECS-160-20-30B-TR, Pricing="1=1.34, 10=1.281, 50=1.2514, 100=1.0726, 500=1.04282 (USD)", RoHS=Yes, Stock=8959, Supplier=Digikey
X2: library part ABS05-32.768KHZ-T, "Crystal 32.768KHz ±20ppm (Tol) 12.5pF Flexural 90000Ohm 2-Pin CSMD T/R", Case/Package=CSMD, ESR (Equivalent Series Resistance)=90kR, Frequency=32.768kHz, Frequency Tolerance=20ppm, Load Capacitance=12.5pF, Manufacturer=Abracon, Max Operating Temperature=85°C, Min Operating Temperature=-40°C, Operating Frequency="32.768 kHz", Package Quantity=3000, Supplier Part Number=535-11899-6-ND, Category=Crystals, ComponentLink1Description=https://datasheet.ciiva.com/23810/abs05-23810480.pdf?src-supplier=Newark, ComponentLink1URL=https://datasheet.ciiva.com/23810/abs05-23810480.pdf?src-supplier=Newark, ComponentLink2Description=https://datasheet.ciiva.com/6728/abs05-6728949.pdf?src-supplier=Digikey, ComponentLink2URL=https://datasheet.ciiva.com/6728/abs05-6728949.pdf?src-supplier=Digikey, ComponentLink3Description=https://datasheet.ciiva.com/6728/abs05-6728950.pdf?src-supplier=Digikey, ComponentLink3URL=https://datasheet.ciiva.com/6728/abs05-6728950.pdf?src-supplier=Digikey, ComponentLink4Description=https://datasheet.ciiva.com/16411/abs05-16411149.pdf?src-supplier=Future+Electronics, ComponentLink4URL=https://datasheet.ciiva.com/16411/abs05-16411149.pdf?src-supplier=Future+Electronics, Depth=1mm, Designed by=UK, ESR=90kR, Height=0.5mm, Lead Free="Lead Free", Length=1.6mm, Manufacturer Part Number=ABS05-32.768KHZ-T, Mounting Technology="Surface Mount", Packaging="Tape and Reel", Pins=2, Pricing="1=0.75, 10=0.628, 50=0.565, 100=0.5022, 500=0.4771, 1000=0.40177 (USD)", Radiation Hardening=No, Reach SVHC Compliant=No, RoHS=Yes, RoHS Compliant=Yes, Series=ABS05, Stock=127282, Supplier=Digikey, Termination=SMD/SMT, Tolerance=20ppm, Width=1mm

## Via types
v1: diameter 0.4, hole 0.254, Top Layer to Bottom Layer, tented both sides, 446 vias
v2: diameter 0.5, hole 0.254, Top Layer to Bottom Layer, tented both sides, 45 vias
v3: diameter 0.4, hole 0.254, Top Layer to Bottom Layer, 2 vias

## Nets (pads, with @x,y where several pads share a name; then routed paths per layer and width w, separated by ;. In a path a pad name is that pad's centre, name@x,y a point inside that pad or via, vN(x,y) a via of type N, cw(c..) or ccw(c..) an arc to the next point about the centre after c; other vN are vias at no path point)
3V3DC: C8.2 C9.2 C10.2 C13.2 C14.2 C15.2 C16.2 C17.2 C18.2 C19.2 C20.2 C24.2 C25.2 C26.2 C28.2 C29.2 C31.2 C32.2 D6.1 D9.1 J6.1 J7.1 R8.1 R10.1 R14.2 R15.1 U2.3 U3.5 U4.1 U4.24 U4.36 U4.48 U5.2 U6.8 U7.8 | length 79
  Top Layer w0.254: v2(30.586,29.316) C18.2@30.586,30.332 30.611,30.332 31.164,29.779 U4.1@32.178,29.779 ; v2(30.586,34.396) 30.93,34.052 31.295,34.052 31.668,34.425 C15.2@31.668,34.65 32.072,34.246 C20.2@32.072,33.126 ; v2(30.84,33.38) 31.094,33.126 C20.2@32.072,33.126 ; U4.48@33.678,31.279 33.069,31.279 32.072,32.277 C20.2@32.072,33.126 ; v2(36.682,36.936) R10.1@36.682,35.704 R8.1@38.206,35.704 v2(38.206,36.936) ; U4.24@39.178,22.779 39.245,22.712 39.476,22.712 ; U4.36@40.678,29.779 40.701,29.779 41.254,30.332 ; C16.2@43.794,31.47 44.048,31.724 D6.1@44.048,33.758
  Top Layer w0.3: 39.476,22.712 40.454,22.712 40.532,22.634 v1(41.428,22.634) ; 41.254,30.332 42.092,31.17 C19.2@42.27,31.17 ; v1(42.524,32.11) 42.27,31.856 C19.2@42.27,31.17 ; v1(45.064,31.348) 44.942,31.47 C16.2@43.794,31.47 42.57,31.47 C19.2@42.27,31.17
  Top Layer w0.4: v1@30.586,2.392 v1(30.692,2.392) 33.634,2.392 33.888,2.646 33.888,2.9 34.904,3.916 39.21,3.916 U5.2@39.488,4.194 ; U6.8@48.366,23.22 48.366,24.302 C32.2@48.808,24.744 48.808,26.202 v1(48.874,26.268) ; C31.2@50.906,24.866 52.298,23.474 J6.1@53.446,23.474 J6.1@53.835,23.474 ; v1(53.34,29.972) 53.446,30.078 U3.5@54.348,30.078
  Top Layer w1: J6.1@53.835,23.474 54.97,23.474 59.074,19.37 C8.2@59.074,9.718
  Bottom Layer w0.4: J7.1@12.528,2.646 12.528,3.13 13.314,3.916 14.838,2.392 v1(30.692,2.392)
  other v1: 46.544,3.154 41.508,4.424 42.778,4.424 44.048,4.424 45.318,4.424 41.508,5.186 42.778,5.186 44.048,5.186 45.318,5.186 58.5,11.5 59.5,11.5 60.5,11.5 61.5,11.5 62.5,11.5 63.5,11.5 59,12.5 60,12.5 61,12.5 62,12.5 63,12.5 58.5,13.5 59.5,13.5 60.5,13.5 61.5,13.5 62.5,13.5 63.5,13.5 57.002,35.412 58.018,35.412 59.034,35.412 57.002,36.428 58.018,36.428 59.034,36.428
  other v2: 23.982,33.126 24.998,33.126 20.68,33.634 23.982,34.142 24.998,34.142 20.934,34.65 22.712,34.65 23.982,35.158 24.998,35.158
3V3DC_S: C39.2 C40.2 C42.2 C43.2 C44.2 C45.2 J8.1 R24.2 R25.2 R33.2 RT1.1 U8.14 U9.5 | length 10.7
  Top Layer w0.254: v1(77.216,10.922) 77.686,10.922 R25.2@78.448,11.684 77.47,11.684 v1(77.216,11.938)
  Bottom Layer w0.254: R33.2@76.896,6.532 76.896,7.554 v1(76.962,7.62) ; v1(82.55,9.906) 82.461,9.995 81.329,9.995 81.201,10.123 81.063,10.123 80.96,10.226 RT1.1@80.96,10.67 82.298,10.67 v1(82.55,10.922) ; U9.5@87.34,11.932 87.094,11.686 C45.2@87.094,10.342 87.276,10.16 v1(88.138,10.16)
  other v1: 84.836,3.048 86.868,3.048 88.9,3.048 66.802,9.652 66.802,10.922 66.802,11.938
5VDC: BZ1.1 C6.1 C7.2 C11.2 C12.2 C27.2 D5.2 D10.1 J5.1 L1.2 U1.4 U2.1 | length 65.7
  Top Layer w0.5: v2(11.282,35.92) 12.56,35.92 C11.2@12.687,36.047 ; v2(11.282,37.698) 12.598,37.698 C12.2@12.687,37.787 C11.2@12.687,36.047 ; U2.1@14.832,33.99 14.832,34.19 14.482,34.54 14.419,34.54 12.912,36.047 C11.2@12.687,36.047 ; v2(22.966,38.206) 23.02,38.152 D10.1@24.102,38.152 ; C27.2@49.062,13.314 49.062,11.776 v1(49.887,10.951) BZ1.1@52.43,8.408
  Bottom Layer w1.27: 22.204,4.932 37.622,4.932 37.622,5.025 38.113,5.516 39.985,5.516 40.162,5.693 40.162,5.787 40.653,6.278 40.747,6.278 43.719,9.25 49.89,9.25 ; 49.382,13.314 50.144,14.076 50.144,15.092 52.684,17.632 56.748,17.632
  Bottom Layer w2: 15.6,13.314 15.6,11.536 22.204,4.932
  other v1: 48.874,11.028 48.874,11.79 49.89,11.79 52.176,25.506 52.938,25.506 53.7,25.506 54.462,25.506 53.7,27.792 54.716,27.792
  other v2: 17.378,15.854 19.156,15.854 17.378,17.378 19.156,17.378 17.378,18.902 19.156,18.902 13.314,20.172 14.584,20.172 15.854,20.172 17.378,20.172 19.156,20.172 11.282,23.728 12.298,23.728 12.298,24.744 2.138,25.252 3.408,25.252 4.678,25.252 12.552,26.014 12.552,27.284 12.552,28.554 12.552,29.316 14.584,31.094 14.576,32.038 15.267,32.038
12VDC: C4.2 C5.2 D1.2 D2.2 D3.2 D11.1 J4.1 RL1.4 RL2.4 U1.7 | length 94.3
  Top Layer w0.5: 20.934,47.604 19.41,46.08 19.41,42.27 21.696,39.984 v2(22.966,39.984) 23.02,39.93 D11.1@24.102,39.93 ; 36.682,40.746 36.806,40.746 D1.2@39.346,38.206
  Top Layer w0.8: 34.142,44.556 34.142,43.286 36.682,40.746
  Top Layer w1: C4.2@8.804,34.658 8.804,37.473 20.713,49.382 20.934,49.382 21.917,50.365 24.203,50.365 RL1.4@24.49,50.652
  Top Layer w2: RL1.4@24.49,50.652 24.49,49.382 23.728,48.62 23.982,48.366 28.679,48.366 ; 34.142,44.556 34.142,45.318 31.094,48.366 28.679,48.366 ; D2.2@49.63,50.906 49.63,56.754 44.81,61.574 RL2.4@40.238,61.574 28.679,50.015 28.679,48.366
  other v1: 19.918,47.35 19.664,49.128 19.918,50.398 19.918,51.16 19.972,52.745 13.568,55.986 15.854,55.986 17.378,55.986 17.378,57.51 13.568,57.764 14.838,57.764 16.362,57.764 15.346,59.542 13.822,59.796
AC_BR_1: BR1.1 T1.9
  other v1: 32.893,61.341 30.226,61.468 31.623,61.468 30.099,62.738 33.02,62.738 31.602,62.844 31.496,64.135 33.02,64.135 30.099,64.262 33.147,65.405 30.226,65.532 31.623,65.532
AC_BR_2: BR1.2 T1.7
  other v1: 21.188,63.606 23.474,63.606 21.188,64.622 23.474,64.622